# Altium PCB Testopstelling_DA_BOX_STEDIN_V2.PcbDoc (part 3 of 3)
Units mm, origin at the board's own origin, x right, y up, seen from the top; angles counter-clockwise.
Board outline 131.42 x 171.88 mm, 4 copper layers (Top Layer, GND, Power, Bottom Layer), stack 0.603 mm thick; 194 components, 128 nets, 737 pads, 414 vias.
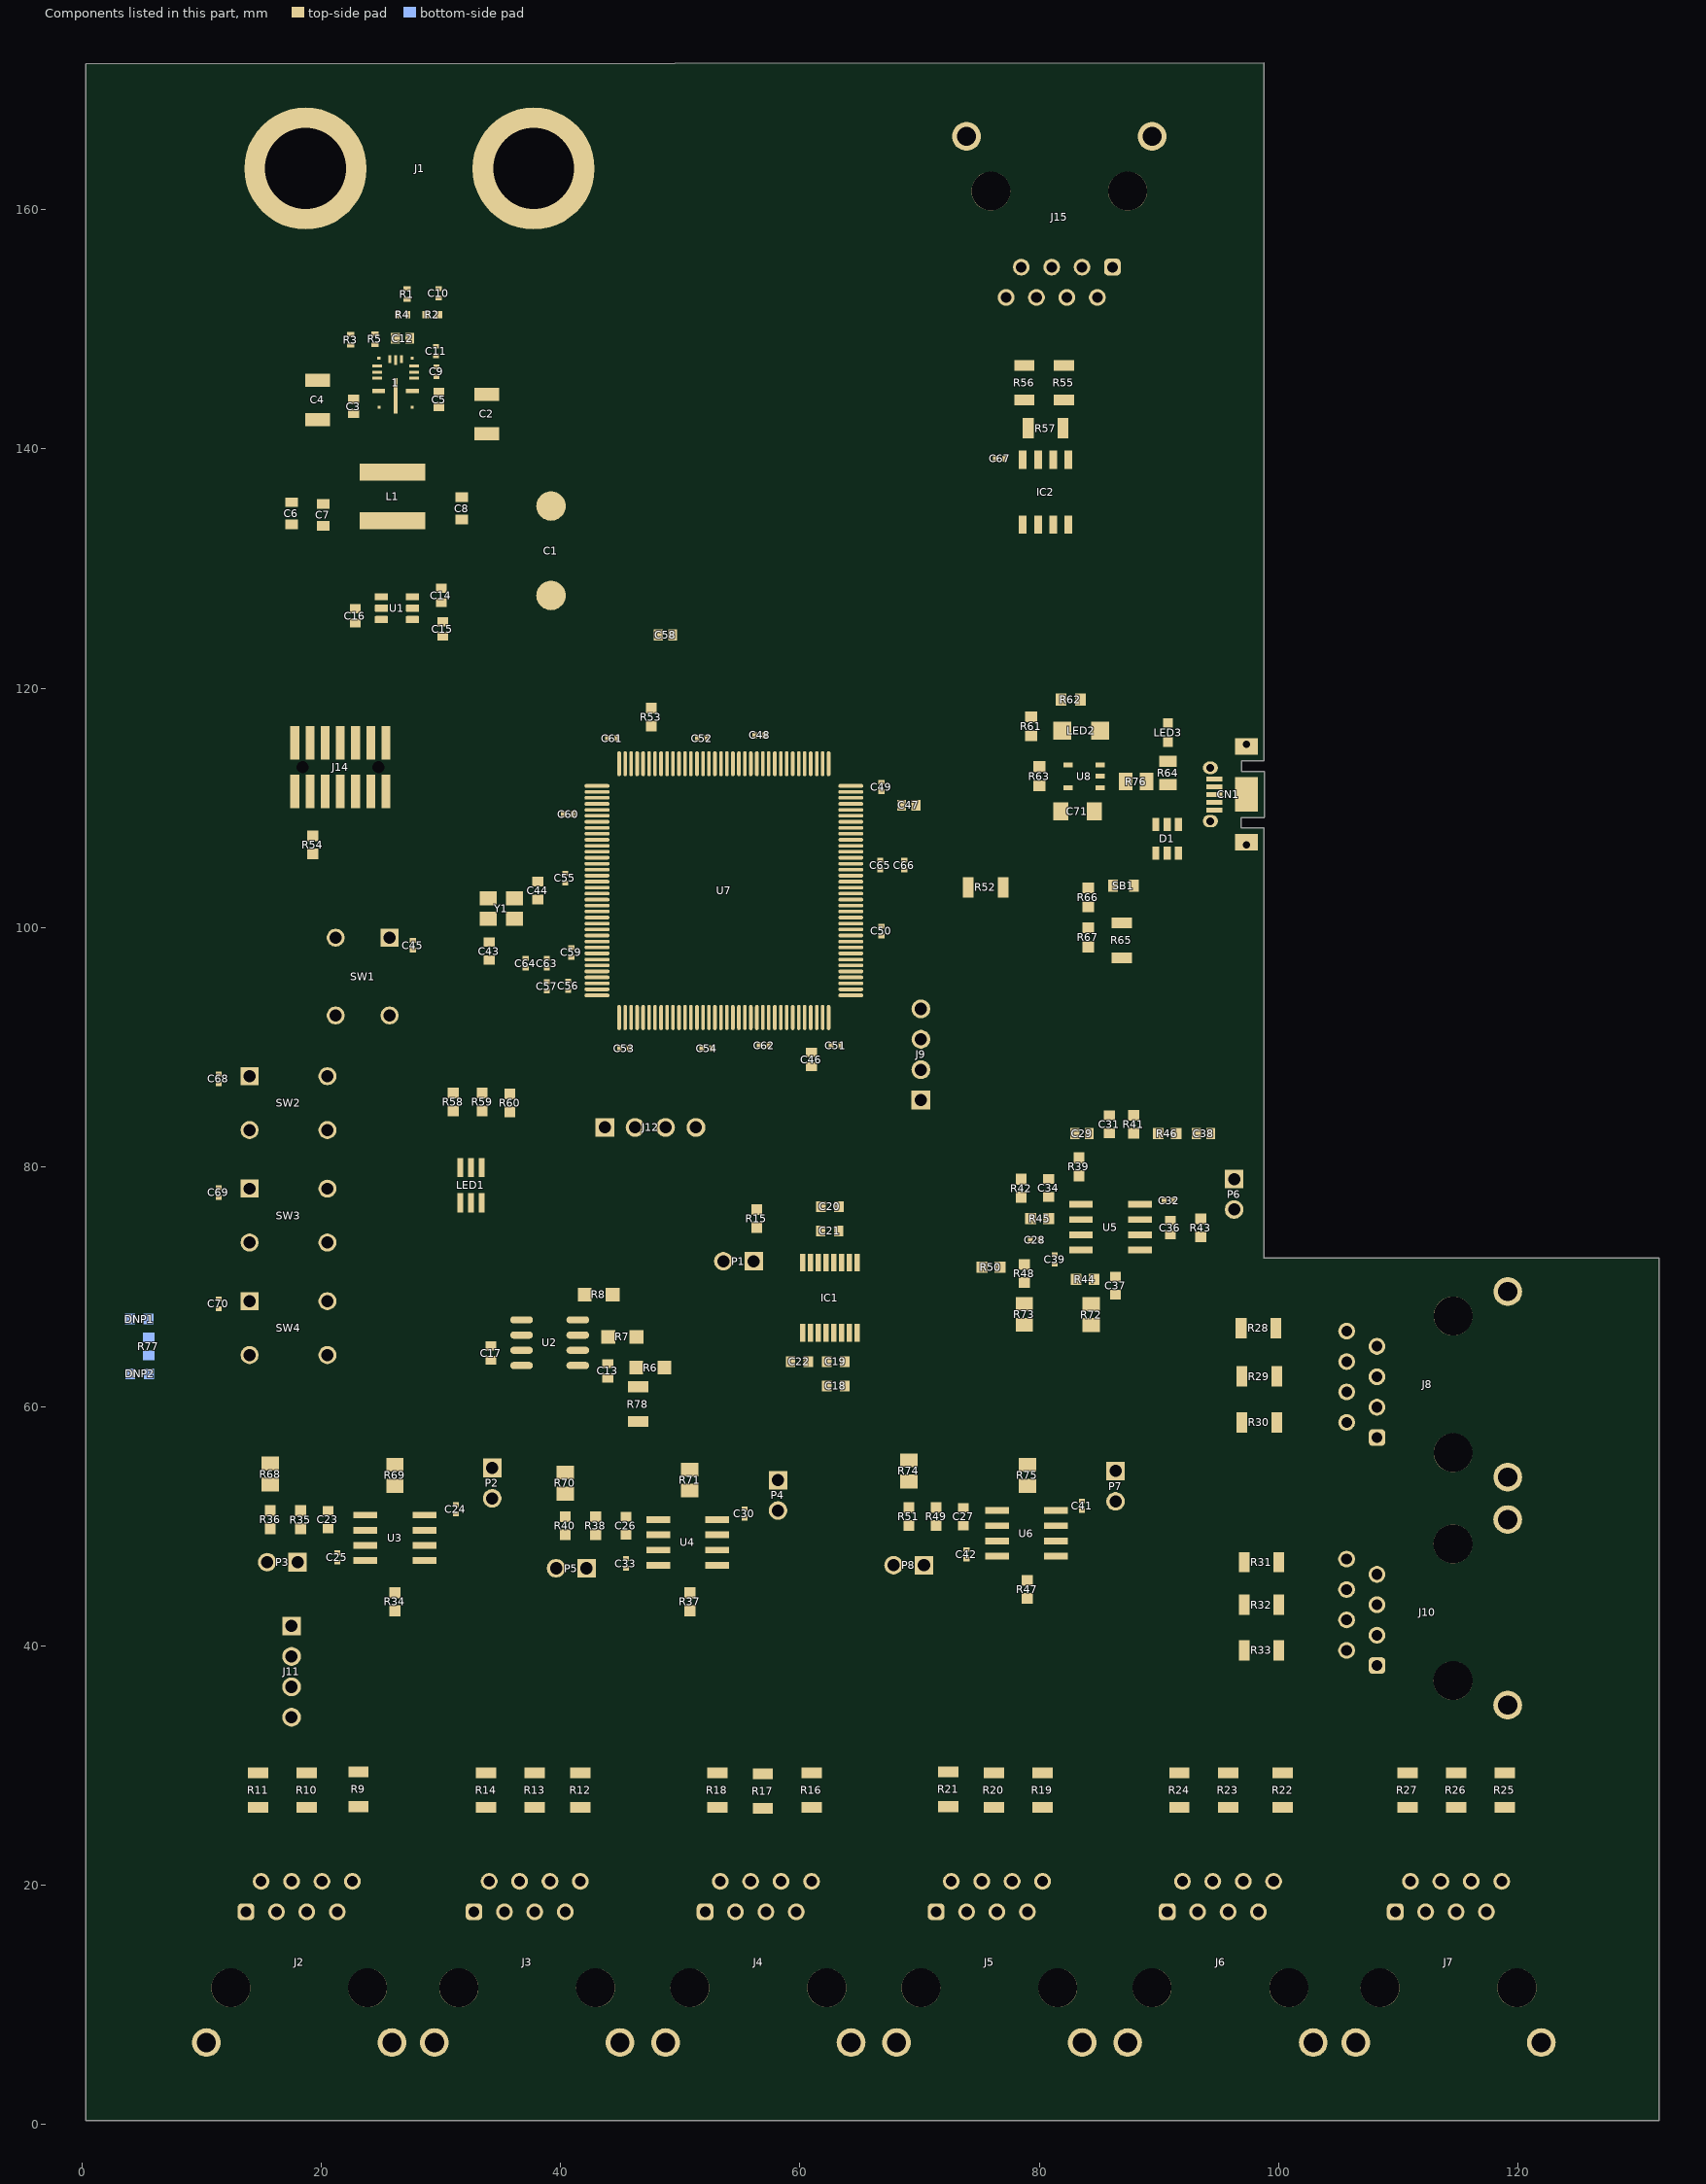
[diagram p5: the components of this part, seen from the top]

## Silkscreen, mask and mechanical layers (free items; w line width, h text height)
Top Overlay:
  drawing of 82 lines, arcs and shapes, not listed
  text "M3 MOUNTING HOLES" at 0.508,162.814 h0.8
  text "Younes Boulmani                                        1012276                                                      Testopstelling DA_BOX_V2                      5-09-2024" at 50.8,158.496 h1.5
  text "VIN" at 1.143,156.718 h3
  text "min  4V" at 1.397,154.305 h1.52
  text "max 36V" at 1.397,151.765 h1.52
  text "VOEDING" at 38.66,150.681 h1.5
  text "RS485 TRANCEIVER CHIP" at 65.913,126.873 h1.5
  text "3V3" at 41.91,122.428 h1.52
  text "-3V3" at 28.194,121.412 h1.52
  text "JTAG (STDC14)" at 23.695,118.818 h1
  text "User Interface" at 1.27,104.394 h1.5
  text "Reset" at 15.821,95.958 h0.8
  text "SPI" at 71.755,95.631 h1.5
  text "GND" at 72.336,92.656 h0.8
  text "Microcontroller" at 76.454,92.456 h1.5
  text "MOSI" at 72.336,90.116 h0.8
  text "I2S" at 39.37,87.63 h1.5
  text "SCLK" at 72.336,87.068 h0.8
  text "cs" at 72.336,84.782 h0.8
  text "Start" at 3.556,84.582 h1.2
  text "WS" at 42.999,80.464 h0.8
  text "CK" at 45.666,80.464 h0.8
  text "SD" at 47.952,80.464 h0.8
  text "MCK" at 50.492,80.464 h0.8
  text "RGB" at 28.394,79.702 h0.8
  text "Pauzeer" at 3.556,74.676 h1.2
  text "GND" at 95.699,73.838 h0.6
  text "OUT_D" at 95.654,72.894 h0.6
  text "AB" at 58.012,66.14 h0.6
  text "CD" at 65.632,66.14 h0.6
  text "Stop" at 3.81,65.932 h1.2
  text "Vref" at 78.94,64.97 h0.8
  text "D" at 84.274,64.716 h0.8
  text "POORT 8" at 125.93,64.589 h0.8
  text "3V1" at 40.102,57.422 h1.52
  text "DAC_OUT_A" at 22.756,57.4 h0.6
  text "C" at 76.908,55.826 h0.8
  text "Vref" at 11.122,55.064 h0.8
  text "B" at 48.714,55.064 h0.8
  text "3V3" at 35.964,55.014 h0.6
  text "3V3" at 88.034,54.506 h0.6
  text "3V3" at 59.84,53.744 h0.6
  text "V+" at 36.218,52.22 h0.6
  text "V+" at 88.288,51.712 h0.6
  text "V+" at 60.094,50.95 h0.6
  text "-3V3" at 14.12,44.6 h0.6
  text "V-" at 17.93,44.6 h0.6
  text "-3V3" at 66.19,44.346 h0.6
  text "V-" at 70,44.346 h0.6
  text "-3V3" at 38.25,44.092 h0.6
  text "V-" at 42.06,44.092 h0.6
  text "Lengte  = 172 mm" at 0.561,42.72 h0.9
  text "L1" at 20.52,41.348 h0.8
  text "Breedte =  98 mm" at 0.561,40.388 h0.9
  text "L2" at 20.52,38.808 h0.8
  text "Breedte =  132 mm" at 0.561,38.356 h0.9
  text "L3" at 20.52,36.268 h0.8
  text "DAC" at 57.85,34.99 h4
  text "GND" at 20.52,33.728 h0.8
  text "POORT 1" at 1.978,19.631 h0.8
Bottom Overlay:
  text "\" Als ik een 10 haal  voor afstuderen spring ik dat water in\" /  / -Feb 2023" at 50.419,123.19 h2.5
  text "Ferrite bead PI filter." at 11.938,66.802 h0.6 r90
Board Shape:
  pour cut-out: 96.876,108.331 96.85,108.356 96.85,109.195 98.755,109.195 98.755,108.331
  pour cut-out: 96.876,113.055 98.781,113.055 98.781,113.919 98.755,113.944 96.876,113.944
  pour cut-out: 96.876,112.978 98.781,112.978 96.798,113.055 96.798,113.944 96.876,114.022
  lines w0.154: 98.755,109.195 96.85,109.195 96.85,108.356 96.876,108.331 98.755,108.331 98.755,72.695 98.755,72.415 98.781,72.39 131.75,72.39 131.75,0.356 0.33,0.356 0.33,172.161 98.755,172.237 98.755,113.944 96.876,113.944 96.876,113.055 98.781,113.055 98.781,109.22

## Text inside footprints (layer, text, board x,y; h text height)
CN1: Mechanical 1 "Board edge" at 98.611,116.722 h0.2 r90
U3: Top Overlay "*" at 23.127,51.359 h1.27; Mechanical 13 "*" at 23.127,51.359 h1.27
U4: Top Overlay "*" at 47.587,50.978 h1.27; Mechanical 13 "*" at 47.587,50.978 h1.27
U5: Top Overlay "*" at 82.889,77.264 h1.27; Mechanical 13 "*" at 82.902,77.315 h1.27
U6: Top Overlay "*" at 75.882,51.74 h1.27; Mechanical 13 "*" at 75.882,51.74 h1.27